# Altium PCB CSUEAF4 - 信号线完毕.PcbDoc (continued)
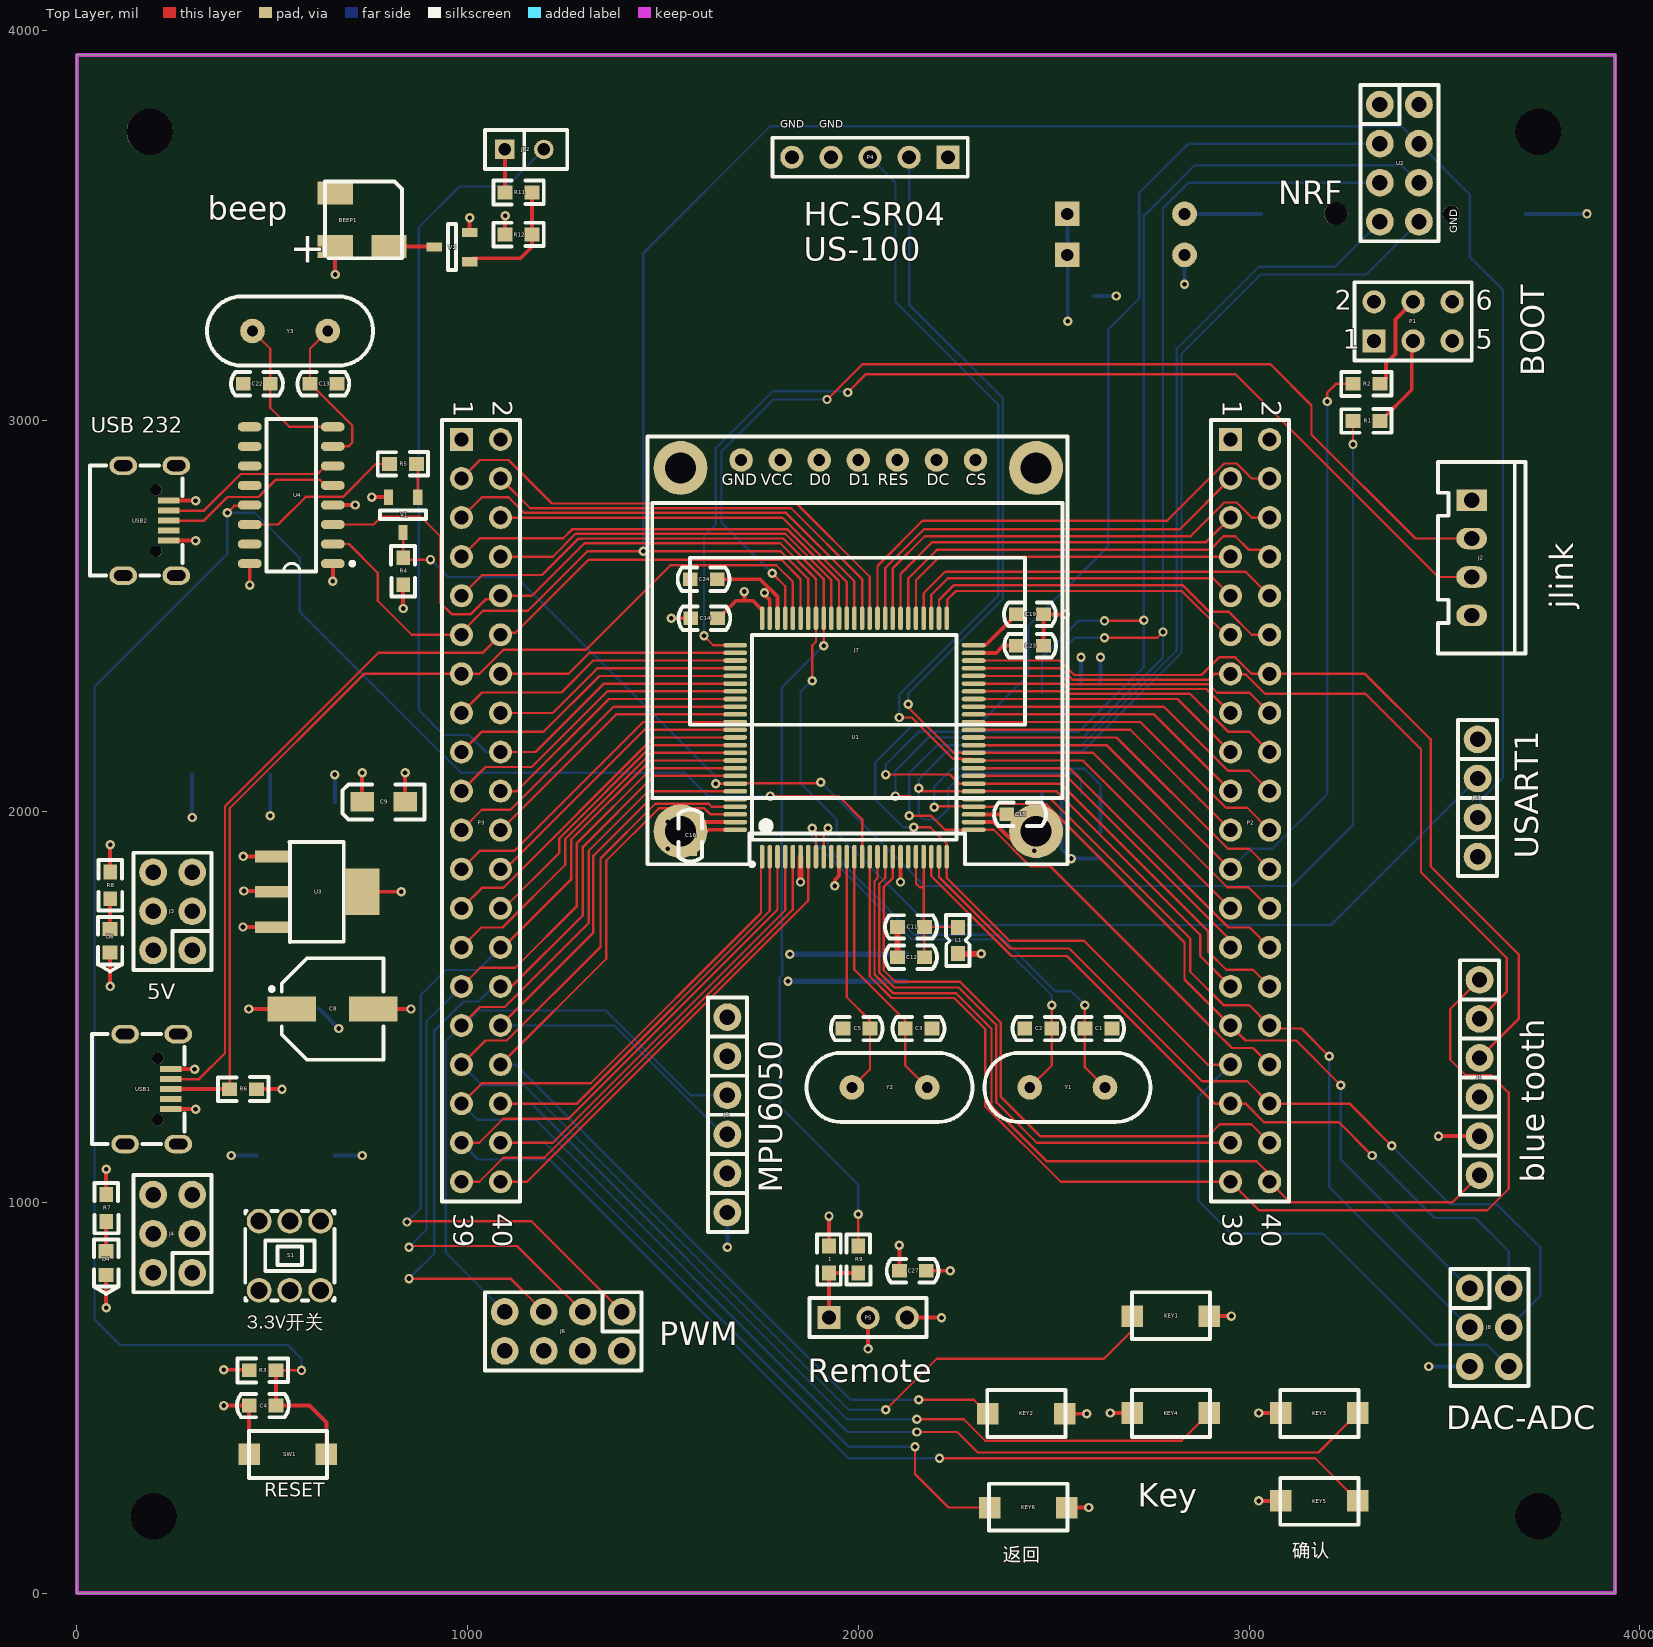
[diagram p0: Top Layer view]
## Footprints (in the part's own frame and the unit in brackets; to place one, negate y for a bottom-side part, rotate by r counter-clockwise, add the part's x,y. Pads: shape width x height; smd on the part's side, far side on the other; paste and mask are expansions set on the pad) (continued)
  oval 0.3x1.55 smd: 26(-6,-7.75) 27(-5.5,-7.75) 28(-5,-7.75) 29(-4.5,-7.75) 30(-4,-7.75) 31(-3.5,-7.75) 32(-3,-7.75) 33(-2.5,-7.75) 34(-2,-7.75) 35(-1.5,-7.75) 36(-1,-7.75) 37(-0.5,-7.75) 38(0,-7.75) 39(0.5,-7.75) 40(1,-7.75) 41(1.5,-7.75) 42(2,-7.75) 43(2.5,-7.75) 44(3,-7.75) 45(3.5,-7.75) 46(4,-7.75) 47(4.5,-7.75) 48(5,-7.75) 49(5.5,-7.75) 50(6,-7.75) 76(6,7.75) 77(5.5,7.75) 78(5,7.75) 79(4.5,7.75) 80(4,7.75) 81(3.5,7.75) 82(3,7.75) 83(2.5,7.75) 84(2,7.75) 85(1.5,7.75) 86(1,7.75) 87(0.5,7.75) 88(0,7.75) 89(-0.5,7.75) 90(-1,7.75) 91(-1.5,7.75) 92(-2,7.75) 93(-2.5,7.75) 94(-3,7.75) 95(-3.5,7.75) 96(-4,7.75) 97(-4.5,7.75) 98(-5,7.75) 99(-5.5,7.75) 100(-6,7.75)
  silkscreen extent -8.37,-6.65 6.65,6.77, body extent -8,-8 8,8, height 1.6
MICRO-USB-5P4脚 [mm]
  rect 0.4x1.4 smd: 1(-1.3,2.66) 2(-0.65,2.66) 3(0,2.66) 4(0.65,2.66) 5(1.3,2.66)
  oval 1.2x1.8 hole 0.7 slot 1.2 at 90 deg: 6(-3.575,3.16) 6(-3.575,-0.29) 6(3.575,3.16) 6(3.575,-0.29)
  round 0.75 hole 0.75 unplated: ""(-2,1.835) ""(2,1.835)
  silkscreen extent -3.57,-2.44 3.57,3.57
"OLED 0.96" [mil]
  round 137.8 hole 78.74: 0(-155,-950) 0(-155,-20) 0(755,-950) 0(755,-20)
  round 60 hole 30: 1(0,0) 2(100,0) 3(200,0) 4(300,0) 5(400,0) 6(500,0) 7(600,0)
  silkscreen extent -240,-1034 835,60, body extent -228,-1036 824,61, height 334
OSC-HC-49S [mm]
  round 1.6 hole 0.7: 1(-2.45,0) 2(2.45,0)
  silkscreen extent -5.39,-2.25 5.39,2.25, body extent -5.39,-2.27 5.41,2.23, height 3.6
R0603 [mil] "1/10W"
  rect 38x35 smd: 1(0,0) 2(69,0)
  silkscreen extent -30,-31 99,30, body extent 4,-16 66,16, height 18
SIP2 [mil]
  rect 50x50 hole 32: 1(0,0)
  round 50 hole 32: 2(100,0)
  silkscreen extent -50,-50 160,50
SMBJ [mm]
  rect 1.5x3 smd: 1(-2.413,0) 2(2.667,0)
  silkscreen extent -1.02,-1.85 1.52,1.83
SOIC16 [mm] "SOIC16-39MM"
  oval 1.55x0.6 smd: 1(0,0) 2(0,-1.27) 3(0,-2.54) 4(0,-3.81) 5(0,-5.08) 6(0,-6.35) 7(0,-7.62) 8(0,-8.89) 9(5.4,-8.89) 10(5.4,-7.62) 11(5.4,-6.35) 12(5.4,-5.08) 13(5.4,-3.81) 14(5.4,-2.54) 15(5.4,-1.27) 16(5.4,0)
  silkscreen extent -1.39,-9.4 4.3,0.51
SOT223 [mm]
  rect 0.76x2.2 smd: 1(-2.3,-2.95) 2(0,-2.95) 3(2.3,-2.95)
  rect 3x2.2 smd: 2(0,2.95)
  silkscreen extent -3.25,-1.8 3.26,1.73, body extent -3.25,-3.5 3.25,3.5, height 1.69
SOT-23 [mm] "SOT-23-3"
  rect 0.6x1 smd: 1(-0.95,-1.15) 2(0.95,-1.15) 3(0,1.15)
  silkscreen extent -1.5,-0.27 1.5,0.27, body extent -1.46,-1.28 1.46,1.27, height 0.99
W25Q-SO8 [mm]
  oval 1.8x0.6 smd: 1(0,0) 2(0,-1.27) 3(0,-2.54) 4(0,-3.81) 5(7.2,-3.81) 6(7.2,-2.54) 7(7.2,-1.27) 8(7.2,0)
  silkscreen extent 1.69,-4.44 5.4,0.63, body extent -0.45,-4.63 7.65,0.83, height 1.75
按键微动开关2 [mm]
  rect 1.4x1.4 smd: 1(-2.5,-0.024) 2(2.5,-0.024)
  silkscreen extent -2.54,-1.52 2.54,1.52, body extent -2.5,-1.52 2.5,1.48, height 2.1
自锁开关 [mm] "PB12E06371， GANGYUAN(港源)"
  round 1.6 hole 1.1: 1(-2,-2.214) 2(0,-2.214) 3(2,-2.214) 4(-2,2.286) 5(0,2.286) 6(2,2.286)
  silkscreen extent -2.9,-2.86 2.9,2.94
"贴片电解 6.3*5.4" [mm] "贴片电解 6.3*5.4"
  rect 3.15x1.6 smd: 1(-2.65,0) 2(2.65,0)
  silkscreen extent -4.07,-3.3 3.3,3.3, body extent -3.5,-3.3 3.5,3.3, height 5.4

## Part data
1: "Resistor", LatestRevisionDate=17-Jul-2002, LatestRevisionNote="Re-released for DXP Platform.", PackageDescription="Axial Device, Thru-Hole; 2 Leads; 0.3 in Pin Spacing", PackageReference=AXIAL-0.3, Published=8-Jun-2000, Publisher="Altium Limited"
BAT?: library part BAT
C1 C2 C3 C4 C5 C6 C7 C10 C11 C12 C13 C14 C15 C16 C18 C19 C20 C21 C22 C23 C24 C25 C26 C27: library part 电容, "Capacitor", LatestRevisionDate=17-Jul-2002, LatestRevisionNote="Re-released for DXP Platform.", PackageDescription="Radial Cap, Thru-Hole; 2 Leads; 0.3 in Pin Spacing", PackageReference=RAD-0.3, Published=8-Jun-2000, Publisher="Altium Limited"
C8 C9: library part 电解电容, "Polarized Capacitor (Axial)", LatestRevisionDate=17-Jul-2002, LatestRevisionNote="Re-released for DXP Platform.", PackageDescription="Polarized Capacitor; 2 Leads", PackageReference=POLAR0.8, Published=8-Jun-2000, Publisher="Altium Limited"
C17: "Capacitor", LatestRevisionDate=17-Jul-2002, LatestRevisionNote="Re-released for DXP Platform.", PackageDescription="Radial Cap, Thru-Hole; 2 Leads; 0.3 in Pin Spacing", PackageReference=RAD-0.3, Published=8-Jun-2000, Publisher="Altium Limited"
D1 D2: library part SMBJ, "TVS"
D3 D5: "开关二极管"
J6: library part PIN-8
J7: library part OLED_SPI
J8: library part PIN-6
JP2: "Connector"
KEY1 KEY2 KEY3 KEY4 KEY5 KEY6 SW1: library part Switch, "Single-Pole, Single-Throw Switch"
L1: library part 磁珠
P1: "Header, 3-Pin, Dual row", LatestRevisionDate=17-Jul-2002, LatestRevisionNote="Re-released for DXP Platform.", Publisher="Altium Limited"
P2 P3: "Header, 20-Pin, Dual row", LatestRevisionDate=17-Jul-2002, LatestRevisionNote="Re-released for DXP Platform.", Publisher="Altium Limited"
P4: "超声波测距模块"
P5: library part "Header 3", "Header, 3-Pin", LatestRevisionDate=17-Jul-2002, LatestRevisionNote="Re-released for DXP Platform.", Publisher="Altium Limited"
R1 R2 R3 R4 R5 R6 R7 R8 R9 R10 R11 R12: library part 电阻, "Resistor", LatestRevisionDate=17-Jul-2002, LatestRevisionNote="Re-released for DXP Platform.", PackageDescription="Axial Device, Thru-Hole; 2 Leads; 0.3 in Pin Spacing", PackageReference=AXIAL-0.3, Published=8-Jun-2000, Publisher="Altium Limited"
S1: "自锁开关"
U1: BOM_LCSC Assembly=Yes, BOM_Manufacturer=STMicroelectronics, BOM_Manufacturer Part=STM32F407VET6, BOM_Supplier=LCSC, BOM_Supplier Part=C28730, image=//image.lceda.cn/szlcsc/C28730.jpg, SMT Type=Basic, spicePre=U
U2: "NRF24L01模块排母"
U3: library part 三端稳压, "三端稳压芯片", BOM名称=Î, 学习资源=www.oooc
V1 V2: "NPN Bipolar Transistor", Code_JEDEC=TO-226-AA, LatestRevisionDate=17-Jul-2002, LatestRevisionNote="Re-released for DXP Platform.", PackageDescription="TO, Flat Index; 3 In-Line, Axial Leads; Body Dia. 4.8mm; Leads 0.55 x 0.51 mm (max)", PackageReference=TO-226-AA, Published=8-Jun-2000, Publisher="Altium Limited"
Y1 Y2 Y3: library part XTAL, "Crystal Oscillator", LatestRevisionDate=17-Jul-2002, LatestRevisionNote="Re-released for DXP Platform.", PackageDescription="Crystal, Thru-Hole; 2 Leads; Body 3.1 x 8.2 mm (Dia.xH)", PackageReference=R38, Published=8-Jun-2000, Publisher="Altium Limited"

## Free pads (board coordinates)
  round 118.11 hole 118.11 unplated: 1(186.85,3740.16) 2(3740.16,3740.16) 3(3740.16,196.85) 4(196.85,196.85)

## Via types
v1: diameter 24, hole 12, Top Layer to Bottom Layer, 112 vias

## Nets (pads, with @x,y where several pads share a name; then routed paths per layer and width w, separated by ;. In a path a pad name is that pad's centre, name@x,y a point inside that pad or via, vN(x,y) a via of type N, cw(c..) or ccw(c..) an arc to the next point about the centre after c; other vN are vias at no path point)
3V3: 1.1 BEEP1.1 C7.2 C9.1 C10.1 C14.2 C15.2 C16.2 C17.2 C18.2 C19.2 C20.2 C21.2 C26.1 C27.1 D1.2 D5.2 J1.2 J2.1 J4.1 J4.3 J4.5 J5.6 J7.2 JP1.1 L1.2 P1.1 P1.2 P2.1 P2.2 P4.1 P5.3 R3.1 R4.2 R6.1 R7.2 R10.2 U1.11 U1.19 U1.28 U1.50 U1.75 U1.100 U2.2 U3.2 U4.4 U4.16 U5.3 U5.7 U5.8 | length 2818.6
  Top Layer w10: R7.2 v1(75,1085) ; v1(375.58,571.57) 429.43,571.57 436,565 R3.1 ; v1(427.5,1796.95) 496.91,1796.95 U3.2@498.86,1795 ; v1(442.4,2580) U4.16 ; R6.1 v1(525,1290) ; U4.4 v1(712.4,2785) ; v1(661.1,3375) BEEP1.1 ; C9.1 v1(730,2100) ; U3.2@731.14,1795 v1(830,1795) ; v1(835,2520) R4.2 ; v1(1512.22,1905) C16.2 1569.78,1906.5 1617.06,1953.78 U1.100 U1.100@1684.6,1954.06 ; C14.2 1641.5,2495 1686.5,2540 1708.41,2540 ; v1(1708.41,2563.41) 1708.41,2540 ; U1.75 1753.78,2516.54 1730.32,2540 1708.41,2540 ; 1.1 v1(1925,965) ; v1(1940,1810) 1940,1825.49 1950.63,1836.12 U1.11 ; v1(2108.11,1820) U1.19 ; P5.3 v1(2212.8,705) ; C27.1 v1(2235,825) ; U1.28 C15.2 ; U1.50 2326.22,2426.22 C19.2 ; v1(3485,1169.69) J1.2
  Top Layer w15: L1.2@2255,1636.13 v1(2314.28,1636.13)
  Bottom Layer w10: v1(395,1120) D1.2 ; C7.2 v1(730,2100) ; v1(1665,885) J5.6 ; U5.3 C26.1 2520,1905 v1(2545,1880) R10.2 ; U5.7 v1(2570,2395) ; U5.8 v1(2620,2395) ; v1(2835,3350) D5.2
  Bottom Layer w15: v1(1825,1635) C18.2 C20.2 C17.2 C21.2
5V: C6.2 C8.1 D2.2 J3.1 J3.3 J3.5 R8.2 S1.3 U3.3 | length 473.1
  Top Layer w10: R8.2 v1(85,1915) ; v1(425,1705) 425.55,1704.45 U3.3 ; v1(440,1495) C8.1
  Bottom Layer w10: v1(295,1985) D2.2 ; v1(440,1495) C6.2
ADC1_CH0: J8.2 P2.35 U1.23 | length 2020.4
  Top Layer w6: U1.23 2186.85,1835.43 2391.77,1630.51 2534.06,1630.51 2911.81,1252.76 P2.35 2990.92,1252.76 3038.68,1205 3230,1205 v1(3315,1120)
  Bottom Layer w6: v1(3315,1120) 3475,960 3580,960 3665,875 J8.2
ADC2_CH1: J8.4 P2.36 U1.24 | length 2221.3
  Top Layer w6: U1.24 2206.54,1832.71 2389.25,1650 2540,1650 2880,1310 2995.51,1310 P2.36 3257.24,1252.76 v1(3365,1145)
  Bottom Layer w6: v1(3365,1145) 3515,995 3635,995 3745,885 3745,760 J8.4
ADC3_CH2: J8.6 P2.33 U1.25 U2.3 | length 5193.6
  Top Layer w6: v1(2142.22,1960) 2184,1960 2226.22,1917.78 U1.25 2226.22,1830 2386.22,1670 2577.09,1670 2894.33,1352.76 P2.33
  Bottom Layer w6: v1(2142.22,1960) 2115,1960 2043.51,2031.49 2043.51,2126.27 2137.24,2220 2305,2220 2435,2350 2435,2475 2640,2680 2640,3235 2719,3314 2719,3584 2845,3710 U2.3 ; P2.33 2870,1270 2870,1005 2955,920 3190,920 3474.43,635.57 3609.43,635.57 J8.6
BEEP: JP2.2 P3.18 U1.81 | length 2565.1
  Top Layer w6: P3.18 1173.7,2152.76 1348.74,2327.8 U1.81
  Bottom Layer w6: P3.18 1047.24,2152.76 1003.55,2196.45 938.55,2196.45 875,2260 875,3495.75 979.25,3600 1100,3600 JP2.2
BOOT0: R1.2 R4.1 U1.94 V1.3 | length 3959.4
  Top Layer w6: R4.1@830,2655 R4.1 ; V1.3 R4.1 ; v1(905,2645.26) 839.74,2645.26 R4.1 ; v1(1635,2071.89) U1.94 1685.99,2073 1901.75,2073 v1(1903.75,2075) ; v1(3266,2940) R1.2
  Bottom Layer w6: v1(905,2645.26) 949.6,2600.66 1124.34,2600.66 1635,2090 v1@1635,2075 ; v1(1903.75,2075) 1905,2075 2170,1810 3110,1810 3266,1966 v1(3266,2940)
BOOT1: P2.23 R2.1 U1.37 | length 2218.7
  Top Layer w6: U1.37 2635.2,2170.32 P2.23 ; v1(3200,3050) 3200,3072.7 3222.3,3095 R2.1
  Bottom Layer w6: P2.23 3005,1905 3059.49,1905 3200,2045.51 v1(3200,3050)
CH340_RESET: C4.2 R3.2 SW1.1 U1.14 U4.13 | length 5380.2
  Top Layer w6: v1(385.28,2765) 402.89,2782.61 440.02,2782.61 U4.13 ; R3.2 v1(575,570) ; v1(1775,2040) 1950,2040 2009.68,1980.32 U1.14
  Top Layer w10: R3.2 C4.2 595,480 638.43,436.57 SW1.1
  Bottom Layer w6: v1(575,570) 575,600 540,635 110,635 45,700 45,2320 385.28,2660.28 v1(385.28,2765) 455,2765 570,2650 570,2512.52 982.52,2100 1555,2100 1615,2040 v1(1775,2040)
CH340_RXD: JP1.2 P3.10 U1.68 U4.3 | length 4164.7
  Top Layer w6: U4.3 760,2735 780,2755 880,2755 930,2705 930,2535 960,2505 1007.32,2505 1045.72,2543.41 1074.91,2543.41 P3.10 1165,2552.76 1299.5,2687.26 1800.24,2687.26 1891.57,2595.93 U1.68 1891.57,2435.01 1882.5,2425.94 v1(1882.5,2335)
  Bottom Layer w6: v1(1882.5,2335) 1882.5,2337.5 1852.2,2307.2 1852.2,2072.8 1945,1980 1945,1945 2180,1710 3210,1710 JP1.2
CH340_TXD: JP1.3 P3.11 U1.69 U2.4 U4.2 | length 6319.4
  Top Layer w6: U4.2 696.14,2685 770,2611.14 770,2540 857.24,2452.76 P3.11 984.25,2459.25 1039.23,2514.23 1154.23,2514.23 1306.26,2666.26 v1(1450,2666.26) 1801.5,2666.26 1871.89,2595.87 U1.69
  Bottom Layer w6: v1(1450,2666.26) 1450,3430 1774.43,3754.43 3390.57,3754.43 U2.4 3565,3580 3565,3420 3650,3335 3650,2087.16 3592.27,2029.43 3592.27,2007.27 3585,2000 JP1.3
CH340_XI: C13.2 U4.7 Y3.2 | length 404
  Top Layer w6: Y3.2 596.81,3184.86 C13.2 598.31,3095 705,2988.31 705,2945 695,2935 U4.7
CH340_XO: C22.2 U4.8 Y3.1 | length 395.6
  Top Layer w6: Y3.1 494.81,3184.86 C22.2 495,3094.81 495,3033.86 543.86,2985 U4.8
D0: J7.3 P3.22 U1.85 | length 723.4
  Top Layer w6: P3.22 1380.55,2249.06 U1.85
D1: J7.4 P3.21 U1.84 | length 831.5
  Top Layer w6: P3.21 1036.25,2004.76 1109.76,2004.76 1373.74,2268.74 U1.84
DAC1_OUT: J8.1 P2.31 R10.1 U1.29 U5.1 | length 2690.6
  Top Layer w6: v1(2194,2011) 2196.92,2013.92 2294.04,2013.92 U1.29 2350.46,2012.83 2357.27,2019.65 2480.65,2019.65 2835,1665.3 2835,1570.51 P2.31 2991.28,1414.23 3120.77,1414.23 v1(3235,1300)
  Bottom Layer w6: v1(2194,2011) 2194,2064 2240,2110 2578.62,2110 2620,2068.62 U5.1 ; v1(3235,1300) 3235,1110 J8.1
  Bottom Layer w10: R10.1 U5.1
DAC2_OUT: J8.3 P2.32 U1.30 U2.5 U5.6 | length 5251.5
  Top Layer w6: v1(2095,2040) 2132.03,2040 2139.51,2032.52 U1.30 2492.48,2032.52 2849.84,1675.16 2849.84,1590.16 2935,1505 3000.51,1505 P2.32 3060.51,1445 3134.23,1445 v1(3205,1374.23) ; v1(2630,2445) 2765,2445 v1(2780,2460)
  Bottom Layer w6: v1(2095,2040) 2095,2105 2180,2190 2575,2190 2780,2395 v1(2780,2460) 2780,3545 2845,3610 3315,3610 3325,3620 U2.5 ; U5.6 2520,2410 2555,2445 v1(2630,2445) ; v1(3205,1374.23) 3205,1040 J8.3
DC: J7.6 P3.19 U1.82 | length 806.4
  Top Layer w6: P3.19 1045.72,2114.23 1164.23,2114.23 1358.11,2308.11 U1.82
Echo: P2.25 P4.3 U1.35 | length 2724.7
  Top Layer w6: v1(2105,2241) 2137.03,2241 2242.31,2135.72 2290.34,2135.72 U1.35 2574.57,2130.94 P2.25
  Bottom Layer w6: P4.3 2095,3610 2095,3305 2358,3042 2358,2553 2105,2300 v1(2105,2241)
GND: BAT?.2 C1.1 C2.1 C3.1 C4.1 C5.1 C6.1 C7.1 C8.2 C9.2 C10.2 C11.1 C12.1 C13.1 C14.1 C15.1 C16.1 C17.1 C18.1 C19.1 C20.1 C21.1 C22.1 C23.2 C24.2 C25.1 C26.2 C27.2 D1.1 D2.1 D4.K D6.K J1.3 J2.4 J3.2 J3.4 J3.6 J4.2 J4.4 J4.6 J5.5 J6.2 J6.4 J6.6 J6.8 J7.1 J7.7 J8.5 JP1.4 KEY1.2 KEY2.2 KEY3.2 KEY4.2 KEY5.2 KEY6.2 P1.5 P1.6 P3.1 P3.2 P4.4 P4.5 P5.2 R12.1 SW1.2 U1.10 U1.20 U1.27 U1.74 U1.99 U2.1 U3.1 U4.1 U5.4 USB1.5 USB2.5 V1.2 V2.2 | length 3371.3
  Top Layer w10: v1(75,730) D4.K ; v1(85,1552.76) D6.K ; USB2.5 v1(303.82,2693.82) ; USB1.5 v1(303.82,1238.82) ; v1(375.58,480) C4.1 441,363.48 437.52,360 SW1.2 ; v1@425,1885 v1(425.55,1885.55) U3.1 ; v1(655,2590) U4.1 ; v1(755,2805.28) V1.2 ; C8.2 v1(855,1495) ; C9.2 v1(840,2100) ; V2.2 v1(1005.28,3520) ; R12.1 v1(1096,3525) ; v1(1512.22,1974) C16.1 1570.31,1973.46 U1.99 ; v1(1521.22,2495) C14.1 1570.5,2495.5 1570.5,2574.5 1570,2575 ; v1(1760,2560.59) 1760,2555 1773.46,2541.54 U1.74 ; v1(2025,625) P5.2 ; C27.2 v1(2105,890) ; U1.27 2346.54,1973.46 2420,1900 v1(2450,1900) 2450,1992.15 C15.1 C15.1@2449,2000 ; C23.2 C19.1 v1(2530,2505) ; KEY2.2 v1(2585,459.06) ; KEY6.2@2537.48,215 KEY6.2 v1(2590,219.06) ; v1(2645,460.94) KEY4.2 ; KEY1.2 v1(2955,709.06) ; v1(3025,235.94) KEY5.2 ; v1(3025,460.94) KEY3.2
  Top Layer w15: C12.1 C11.1
  Bottom Layer w10: v1(495,1990) D2.1 ; C6.1 620.5,1495 v1@670,1445.5 ; D1.1 v1(730,1120) ; C7.1@660,2026 C7.1 v1@661,2095 ; v1@2451,1905 C26.2 2452.5,1950 2462.5,1960 2462.5,1961.5 2470,1969 U5.4 ; C25.1 v1(2660,3320) ; v1(3460,580) J8.5 J8.5@3560,575 ; BAT?.2 v1(3865,3530)
  Bottom Layer w15: v1(1820,1566) C18.1 C20.1 C17.1 C21.1
  other v1: 670,1445 660,2095
I2C1_SCL: J5.3 J6.7 P3.31 U1.95 | length 2655.9
  Top Layer w6: P3.31 1031.5,1500 1095,1500 1310,1715 1310,1900 1462.2,2052.2 U1.95
  Bottom Layer w6: J6.7 944,871 944,1412.5 P3.31 987.76,1452.76 1026.28,1491.28 1353.72,1491.28 1570.77,1274.23 J5.3
I2C1_SDA: J5.4 P3.32 U1.96 | length 1652
  Top Layer w6: P3.32 1322,1690.5 1322,1887 1467.52,2032.52 U1.96
  Bottom Layer w6: P3.32 1375.27,1452.76 1653.8,1174.23 J5.4
I2C2_SCL: J1.5 P2.13 U1.47 | length 2053.3
  Top Layer w6: U1.47 2518.34,2367.17 2547.51,2338 2896.55,2338 2911.3,2352.76 P2.13 2953.77,2351.74 2991.28,2351.74 3041.03,2302 3298,2302 3440,2160 3440,1845 3660,1625 3660,1539.69 J1.5
I2C2_SDA: J1.4 P2.14 U1.48 | length 2240.7
  Top Layer w6: U1.48 2515.63,2386.85 2552.48,2350 2878.31,2350 2923.31,2395 2965,2395 3007.24,2352.76 P2.14 3297.24,2352.76 3465,2185 3465,1860 3690,1635 3690,1469.69 J1.4
I2C3_SCL: P3.9 R9.2 U1.67 | length 2868.6
  Top Layer w6: P3.9 1037.32,2605.82 1190.82,2605.82 1284,2699 1294.27,2699 1294.53,2699.26 1807.83,2699.26 1911.26,2595.83 U1.67 v1(1911.26,2425) ; R9.2 v1(2000,970)
  Bottom Layer w6: v1(1911.26,2425) 1804,2317.74 1804,1626.3 1805,1625.3 1805,1580.7 1799,1574.7 1799,1246 2000,1045 v1(2000,970)
I2C3_SDA: P3.8 U1.66 | length 1017.9
  Top Layer w6: P3.8 1217.76,2652.76 1276.26,2711.26 1812.8,2711.26 1930.94,2593.12 U1.66
JTDI: P3.14 U1.77 | length 617.9
  Top Layer w6: P3.14 1257.76,2352.76 1311.54,2406.54 U1.77@1679.88,2406.54
JTDO: P3.26 U1.89 | length 795.2
  Top Layer w6: P3.26 1092.76,1752.76 1235,1895 1235,1931.97 1473.34,2170.32 U1.89
JTRST: P3.27 U1.90 | length 945.5
  Top Layer w6: P3.27 1035.05,1703.55 1089.53,1703.55 1250,1864.02 1250,1930 1470.63,2150.63 U1.90
KEY: J1.1 P2.40 U1.16 | length 2250.9
  Top Layer w6: U1.16 2049.06,1829.78 2041.37,1822.09 2041.37,1583.6 2089.97,1535 2250.44,1535 2341,1444.44 2341,1246.8 2482.8,1105 3020,1105 3052.76,1072.24 P2.40 3105.51,1000 3520.31,1000 J1.1
KEY1: KEY1.1 P3.33 U1.97 | length 3321.3
  Top Layer w6: P3.33 1045.72,1414.23 1100.21,1414.23 1340,1654.02 1340,1880 1480.52,2020.52 1617.31,2020.52 1625,2012.83 U1.97 ; v1(2070,469.41) 2200.59,600 2629,600 2701.57,672.57 KEY1.1
  Bottom Layer w6: P3.33 992.24,1352.76 992.24,1344.76 1037.01,1300 1145,1300 1975.59,469.41 v1(2070,469.41)
KEY2: KEY2.1 P3.34 U1.98 | length 2643.1
  Top Layer w6: P3.34 1355,1623.5 1355,1874.37 1489.15,2008.52 1606.48,2008.52 1621.85,1993.15 U1.98 ; v1(2155,495.14) 2295.49,495.14 KEY2.1
  Bottom Layer w6: P3.34 1122.52,1352.76 1980.14,495.14 v1(2155,495.14)
KEY3: KEY3.1 P3.35 U1.1 | length 3819.8
  Top Layer w6: P3.35 1036.5,1305 1315,1305 1751.1,1741.1 1751.1,1863.28 1753.78,1865.96 U1.1 ; v1(2150,412.5) 2252.99,412.5 2305.49,360 3177.48,360 KEY3.1
  Bottom Layer w6: P3.35 1025.71,1211.3 1173.7,1211.3 1972.5,412.5 v1(2150,412.5)
KEY4: KEY4.1 P3.36 U1.2 | length 3233
  Top Layer w6: P3.36 1279.73,1252.76 1773.46,1746.49 U1.2 ; v1(2150,445) 2270,445 2325,390 2827.48,390 KEY4.1
  Bottom Layer w6: P3.36 1163.19,1252.76 1970.94,445 v1(2150,445)
KEY5: KEY5.1 P3.37 U1.3 | length 3868.5
  Top Layer w6: P3.37 1029.77,1152.76 1091.24,1214.23 1258.17,1214.23 1793.15,1749.21 U1.3 ; v1(2207.83,345) 3169.37,345 KEY5.1
  Bottom Layer w6: P3.37 984.25,1147.76 989.25,1147.76 1027.01,1110 1210,1110 1975,345 v1(2207.83,345)
KEY6: KEY6.1 P3.38 U1.4 | length 2792.2
  Top Layer w6: P3.38 1217.76,1152.76 1812.83,1747.83 U1.4 ; v1(2145,375) 2145,305 2230.94,219.06 KEY6.1
  Bottom Layer w6: P3.38 1197.24,1152.76 1975,375 v1(2145,375)
Net1_2: 1.2 P5.1 R9.1 | length 189.4
  Top Layer w10: P5.1 1.2 R9.1
NetBAT?_1: BAT?.1 D3.2 | length 196.4
  Bottom Layer w10: D3.2 BAT?.1
NetBEEP1_2: BEEP1.2 V2.3 | length 117.8
  Top Layer w10: BEEP1.2@799.99,3445 BEEP1.2 913.62,3446.1 V2.3
NetC11_2: C11.2 C12.2 L1.1 U1.21 U1.22 | length 436.5
  Top Layer w6: U1.21 2147.48,1816.52 2157.17,1806.83 2167.17,1806.83 ; U1.22 2167.17,1806.83 ; C12.2 C11.2 ; L1.1 2253.55,1705 C11.2 ; 2167.17,1806.83 2167.17,1706.83 C11.2
NetC23_1: C23.1 U1.49 | length 117.5
  Top Layer w10: U1.49 2353.17,2406.54 2371.63,2425 C23.1
NetC24_1: C24.1 U1.73 | length 227.8
  Top Layer w10: C24.1 1748.44,2595 1793.15,2550.29 U1.73
NetD4_A: D4.A R7.1 | length 76
  Top Layer w10: D4.A R7.1
NetD6_A: D6.A R8.1 | length 77
  Top Layer w10: D6.A R8.1
NetJP2_1: JP2.1 R11.1 | length 110.4
  Top Layer w10: JP2.1 1096,3694 R11.1
NetP1_3: P1.3 R1.1 | length 241.1
  Top Layer w10: R1.1 3336.5,3000 3416.5,3080 3416.5,3201.5 P1.3
NetP1_4: P1.4 R2.2 | length 246.1
  Top Layer w10: R2.2 3336.5,3095 3351,3109.5 3351,3147.75 3375,3171.75 3375,3260 P1.4
NetR5_1: R5.1 V1.1 | length 76.1
  Top Layer w6: R5.1@869,2880 872.4,2876.6 V1.1
NetR5_2: R5.2 U4.14 | length 421.8
  Top Layer w6: U4.14 515,2735 585.81,2805.81 680.81,2805.81 765,2890 R5.2
NetR11_2: R11.2 R12.2 V2.1 | length 314.6
  Top Layer w10: V2.1 1014.09,3416.41 1135.41,3416.41 1165,3446 R12.2 R11.2
NetU4_5: U4.5 USB2.3 | length 470
  Top Layer w6: USB2.3 325,2745 385.28,2805.28 465,2805.28 509.72,2850 621.3,2850 636.3,2835 U4.5
NetU4_6: U4.6 USB2.2 | length 467.7
  Top Layer w6: USB2.2 325.59,2770.59 419.19,2864.19 615.49,2864.19 630.54,2879.24 649.24,2879.24 U4.6
NRF_IRQ: P2.34 U1.26 U2.8 | length 3537.3
  Top Layer w6: v1(2130,1990) 2185.59,1990 2221.81,1953.78 U1.26 2346.42,1953.78 2440.2,1860 2491.8,1860 2914.23,1437.57 2914.23,1436.8 2936.8,1414.23 2937.57,1414.23 2956.8,1395 3010.51,1395 P2.34
  Bottom Layer w6: v1(2130,1990) 2130,2098.17 2201.83,2170 2571.97,2170 2815,2413.03 2815,3185 3025,3395 3220,3395 U2.8
"OS 8M IN": C5.2 U1.12 Y2.1 | length 634.6
  Top Layer w6: U1.12 1970.32,1525.18 2030,1465.5 C5.2 2030,1340.75 Y2.1
"OS 8M OUT": C3.2 U1.13 Y2.2 | length 667.8
  Top Layer w6: U1.13 1990,1595.5 2120,1465.5 C3.2 2120,1350.75 Y2.2
"OS 32K IN": C2.2 U1.8 Y1.1 | length 1142.6
  Top Layer w6: v1(1882.5,1957.5) 1891.57,1948.43 U1.8 ; Y1.1 2495,1350.75 C2.2 v1(2495,1505)
  Bottom Layer w6: v1(1882.5,1957.5) 1882.5,1927.5 2137,1673 2352,1673 2495,1530 v1(2495,1505)
"OS 32K OUT": C1.2 U1.9 Y1.2 | length 1184.8
  Top Layer w6: U1.9 1911.26,1946.26 v1(1922.5,1957.5) ; v1(2580,1505) C1.2 2580,1345.75 Y1.2
  Bottom Layer w6: v1(1922.5,1957.5) 1922.5,1905.26 2142.76,1685 2360,1685 2505,1540 2545,1540 v1(2580,1505)
PA6: P2.29 U1.31 U2.7 U5.2 | length 3997
  Top Layer w6: v1(2155,2060) 2157.17,2060 2164.69,2052.48 2294.84,2052.48 U1.31 2507.49,2052.2 2875,1684.7 2875,1630.51 P2.29
  Bottom Layer w6: U5.2 2570,2086.49 2558.49,2098 2268,2098 2230,2060 2230,2007.17 2202.83,1980 2165,1980 2155,1990 v1(2155,2060) 2155,2083 2227,2155 2575,2155 2827,2407 2827,3172 3030,3375 3300,3375 U2.7
PA7: P2.30 U1.32 U2.6 U5.5 | length 4348.7
  Top Layer w6: v1(2070,2095) 2235,2095 2258.11,2071.89 U1.32 2517.51,2071.89 2895,1694.4 2895,1641.8 2941.56,1595.24 3010.27,1595.24 P2.30 ; v1(2630,2488.3) 2630.85,2489.15 2730.15,2489.15 v1(2731,2490)
  Bottom Layer w6: v1(2070,2095) 2070,2120 2155,2205 2565,2205 2731,2371 v1(2731,2490) 2731,3525 2860.43,3654.43 3390.57,3654.43 U2.6 ; U5.5@2470,2304.84 U5.5 2470,2395 2563.3,2488.3 v1(2630,2488.3)
PA11: P3.12 U1.70 USB1.2 | length 2654.8
  Top Layer w6: USB1.2 312.84,1315.59 379,1381.76 379,2014 771.54,2406.54 1038.03,2406.54 P3.12 1089.28,2457.78 1122.78,2457.78 1310.26,2645.26 1802.74,2645.26 1852.2,2595.8 U1.70
PA12: P3.13 R6.2 U1.71 USB1.3 | length 2680.4
  Top Layer w6: R6.2 391,2009.03 734.73,2352.76 P3.13 1029.77,2352.76 1091.24,2414.23 1302.26,2414.23 1519.03,2631 1789.93,2631 1832.52,2588.41 U1.71
  Top Layer w10: USB1.3 R6.2
PA13: J2.2 U1.72 | length 2735.8
  Top Layer w6: v1(1780,2610) 1812.83,2577.17 U1.72 ; v1(1920,3055) 1920.63,3055 2010.63,3145 3055,3145 3160,3040 3160,2965 3425.91,2699.09 J2.2
  Bottom Layer w6: v1(1780,2610) 1650,2740 1650,2922.76 1782.24,3055 v1(1920,3055)
PA14: J2.3 U1.76 | length 2813.5
  Top Layer w6: v1(1605,2450) 1628.78,2426.22 U1.76 ; v1(1973,3073) 2020,3120 2965,3120 3484.34,2600.66 J2.3
  Bottom Layer w6: v1(1605,2450) 1605,2705 1635,2735 1635,2930 1781,3076 1970,3076 v1(1973,3073)
PB1: P2.26 P4.2 U1.36 | length 2747.9
  Top Layer w6: v1(2127.8,2275) 2127.8,2272.8 2125,2270 2244.37,2150.63 U1.36 2600.4,2150.63 2944.19,1806.83 2998.68,1806.83 P2.26
  Bottom Layer w6: v1(2127.8,2275) 2127.8,2302.8 2370,2545 2370,3058.3 2130,3298.3 P4.2
PB5: J6.1 P3.28 U1.91 | length 2356.2
  Top Layer w6: v1@845,952.16 1162.84,952.16 J6.1 ; P3.28 P3.28@1084.25,1671.53 ; P3.28@1098.56,1659.78 1265,1826.22 1265,1928.03 1467.92,2130.94 U1.91
  Bottom Layer w6: v1(845,950) 880,985 880,1531 944,1595 1026.5,1595 P3.28
PB6: J6.3 P3.29 U1.92 | length 2264.7
  Top Layer w6: v1@850,888.37 1126.63,888.37 J6.3 ; P3.29 1032.21,1600.71 1122.2,1600.71 1279.73,1758.24 1279.73,1919.73 1471.26,2111.26 U1.92
  Bottom Layer w6: v1(850,885) 895,930 895,1463.5 P3.29
PB7: J6.5 P3.30 U1.93 | length 2184.4
  Top Layer w6: v1(850,805) 1110,805 J6.5 ; P3.30 1112.76,1552.76 1295,1735 1295,1910 1476.57,2091.57 U1.93
  Bottom Layer w6: v1(850,805) 915,870 915,1440 989.23,1514.23 1027.76,1514.23 1056.13,1542.6 1074.1,1542.6 P3.30
PB12: P2.11 U1.51 | length 829
  Top Layer w6: U1.51 2227.22,2496.12 2227.22,2542.22 2250,2565 2828.03,2565 2940.27,2452.76 P2.11
PB13: P2.12 U1.52 | length 961.3
  Top Layer w6: U1.52 2206.54,2541.54 2245,2580 2830,2580 2898.55,2511.45 2948.54,2511.45 3007.24,2452.76 P2.12
PB14: P2.9 U1.53 | length 861.7
  Top Layer w6: U1.53 2186.85,2555 2229.06,2597.2 2908.31,2597.2 P2.9
PB15: P2.10 U1.54 | length 997.9
  Top Layer w6: U1.54 2167.17,2559.17 2222.23,2614.23 2991.28,2614.23 P2.10
PC0: J1.6 P2.39 U1.15 | length 2994.1
  Top Layer w6: U1.15 2029.37,1578.63 2085,1523 2245.47,1523 2325,1443.47 2325,1245.82 2518.07,1052.76 P2.39 3025.51,980 3610,980 3664.74,1034.74 3664.74,1280.26 3619.74,1325.26 3554.74,1325.26 3515,1365 3515,1494.69 J1.6
PC2: P2.37 U1.17 | length 1498.3
  Top Layer w6: U1.17 2068.74,1831 2053.37,1815.63 2053.37,1588.57 2091.94,1550 2257.27,1550 2353,1454.27 2353,1256.69 2456.93,1152.76 P2.37
PC3: P2.38 U1.18 | length 1606.8
  Top Layer w6: U1.18 2088.43,1830.01 2065.37,1806.96 2065.37,1594.29 2094.66,1565 2260,1565 2365,1460 2365,1270 2465.31,1169.69 2894.69,1169.69 2925,1200 3005.51,1200 P2.38
PC4: P2.27 U1.33 | length 850.1
  Top Layer w6: U1.33 2532.12,2091.57 2942.6,1681.09 2942.6,1662.91 P2.27
PC5: P2.28 U1.34 | length 947.9
  Top Layer w6: U1.34 2540.41,2111.26 2818,1833.67 2818,1833.03 2947.47,1703.55 3001.96,1703.55 P2.28
PC6: P3.5 U1.63 | length 1211.3
  Top Layer w6: P3.5 1036.5,2805 1105,2805 1145.24,2764.76 1815.24,2764.76 1990,2590 U1.63
PC7: P3.6 U1.64 | length 1047
  Top Layer w6: P3.6 1805.25,2752.76 1970.32,2587.69 U1.64
PC8: P3.7 U1.65 | length 1145.9
  Top Layer w6: P3.7 1031.5,2700 1245,2700 1268.26,2723.26 1817.77,2723.26 1950.63,2590.4 U1.65
PC10: P3.15 U1.78 | length 756.2
  Top Layer w6: P3.15 1036.5,2305 1240,2305 1321.85,2386.85 U1.78
PC11: P3.16 U1.79 | length 648
  Top Layer w6: P3.16 1217.76,2252.76 1332.17,2367.17 U1.79
PC12: P3.17 U1.80 | length 781.3
  Top Layer w6: P3.17 1036.5,2205 1195,2205 1337.48,2347.48 U1.80
PC13: P3.40 U1.7 | length 1197.9
  Top Layer w6: P3.40 1151.7,1052.76 1871.89,1772.95 U1.7
PD2: J7.5 P3.20 U1.83 | length 698.2
  Top Layer w6: P3.20 1125.93,2052.76 1361.59,2288.43 U1.83
PD5: P3.23 U1.86 | length 856.6
  Top Layer w6: P3.23 1031.5,1900 1120,1900 1449.37,2229.37 U1.86
PD6: P3.24 U1.87 | length 748.5
  Top Layer w6: P3.24 1095.51,1852.76 1452.44,2209.68 U1.87
PD7: P3.25 U1.88 | length 881.7
  Top Layer w6: P3.25 1036.5,1805 1091.06,1805 1476.06,2190 U1.88
PD8: P2.7 U1.55 | length 927.6
  Top Layer w6: U1.55 2147.48,2592.48 2207.76,2652.76 P2.7
PD9: P2.8 U1.56 | length 1093.3
  Top Layer w6: U1.56 2127.8,2597.2 2200.59,2670 2900,2670 2935,2705 2965,2705 3000,2670 3035.51,2670 P2.8
PD10: P2.5 U1.57 | length 1017.9
  Top Layer w6: U1.57 2108.11,2608.7 2189.41,2690 2890,2690 P2.5
PD11: P2.6 U1.58 | length 1178.1
  Top Layer w6: U1.58 2088.43,2623.43 2170,2705 2850.51,2705 2936.8,2791.28 2968.71,2791.28 3007.24,2752.76 P2.6
PD12: P2.3 U1.59 | length 1107.5
  Top Layer w6: U1.59 2068.74,2623.74 2168,2723 2823,2723 P2.3
PD13: P2.4 U1.60 | length 1262.2
  Top Layer w6: U1.60 2049.06,2629.06 2165,2745 2790.51,2745 2936.8,2891.28 2968.71,2891.28 3007.24,2852.76 P2.4
PD14: P3.3 U1.61 | length 1294.6
  Top Layer w6: P3.3 1031.5,2900 1105,2900 1216.24,2788.76 1841.87,2788.76 2029.37,2601.26 U1.61
PD15: P3.4 U1.62 | length 1132.3
  Top Layer w6: P3.4 1160.25,2776.76 1828.24,2776.76 2009.68,2595.32 U1.62
PE6: P3.39 U1.5 | length 1271.6
  Top Layer w6: P3.39 1029.77,1052.76 1091.24,1114.23 1196.2,1114.23 1832.52,1750.55 U1.5
PE7: P2.24 U1.38 | length 897.3
  Top Layer w6: U1.38 2661.03,2190 2946.03,1905 3000.51,1905 P2.24
PE8: P2.21 U1.39 | length 764.1
  Top Layer w6: U1.39 2695.83,2209.68 P2.21
PE9: P2.22 U1.40 | length 872.2
  Top Layer w6: U1.40 2721.66,2229.37 2941.03,2010 2995.51,2010 P2.22
PE10: P2.19 U1.41 | length 738.9
  Top Layer w6: U1.41 2756.46,2249.06 P2.19
PE11: P2.20 U1.42 | length 847.1
  Top Layer w6: U1.42 2782.29,2268.74 2946.03,2105 3000.51,2105 P2.20
PE12: P2.17 U1.43 | length 713.8
  Top Layer w6: U1.43 2817.09,2288.43 P2.17
PE13: P2.18 U1.44 | length 822
  Top Layer w6: U1.44 2526.49,2308.11 2532.6,2302 2849.03,2302 2946.03,2205 3000.51,2205 P2.18
PE14: P2.15 U1.45 | length 688.7
  Top Layer w6: U1.45 2523.77,2327.8 2537.57,2314 2891.51,2314 P2.15
PE15: P2.16 U1.46 | length 796.9
  Top Layer w6: U1.46 2521.06,2347.48 2542.54,2326 2897.11,2326 2918.47,2304.64 3000.87,2304.64 P2.16
VBAT: C25.2 D3.1 D5.1 U1.6 | length 340.3
  Top Layer w15: v1(1852.2,1820) U1.6
  Bottom Layer w10: D3.1 D5.1 2536,3424 C25.2 v1(2536,3255)
VUSB: S1.2 USB1.1 USB2.1 | length 130.5
  Top Layer w10: USB2.1 v1(303.82,2796.18) ; USB1.1 v1(301.18,1341.18)
pads on no net: BAT?.0 BEEP1.3 J5.1 J5.2 J7.0 S1.1 S1.4 S1.5 S1.6 U4.9 U4.10 U4.11 U4.12 U4.15 USB1. USB1.4 USB1.6 USB2. USB2.4 USB2.6

## Keep-outs
Keep-Out Layer:
  the board outline again, w10

## Other copper
Top Layer:
  text "TOP" at 280,4040 h60
Bottom Layer:
  text "BUTTOM" at 920,4040 h60

## Silkscreen, mask and mechanical layers (free items; w line width, h text height)
Top Overlay:
  text "GND" at 1800,3750 h20
  text "GND" at 1900,3750 h20
  text "NRF" at 3075,3555 h60
  text "beep" at 335,3515 h60
  text "GND" at 3533.43,3480 h20 r90
  text "HC-SR04 / US-100" at 1860,3410 h60
  text "BOOT" at 3755,3115 h60 r90
  text "USB 232" at 35,2970 h40
  text "jlink" at 3830,2520 h60 r90
  text "USART1" at 3740,1880 h60 r90
  text "5V" at 180,1520 h40
  text "blue tooth" at 3755,1050 h60 r90
  text "MPU6050" at 1805,1025 h60 r90
  text "3.3V开关" at 435,665 h60
  text "PWM" at 1490,635 h60
  text "Remote" at 1870,540 h60
  text "DAC-ADC" at 3505,420 h60
  text "RESET" at 480,235 h60
  text "Key" at 2715,220.76 h60
  text "确认" at 3110,80 h60
  text "返回" at 2370,70 h60

## Text inside footprints (layer, text, board x,y; h text height)
BEEP1: Top Overlay "+" at 545,3405 h80
J7: Top Overlay "CS" at 2275,2825 h50; Top Overlay "DC" at 2175,2825 h50; Top Overlay "RES" at 2050,2825 h50; Top Overlay "D1" at 1975,2825 h50; Top Overlay "D0" at 1875,2825 h50; Top Overlay "VCC" at 1750,2825 h50; Top Overlay "GND" at 1650,2825 h50
P1: Top Overlay "1" at 3240,3185 h50; Top Overlay "2" at 3220,3285 h50; Top Overlay "5" at 3580,3185 h50; Top Overlay "6" at 3580,3285 h50
P2: Top Overlay "39" at 2932.76,972.76 h50 r270; Top Overlay "40" at 3032.76,972.76 h50 r270; Top Overlay "2" at 3032.76,3052.76 h50 r270; Top Overlay "1" at 2932.76,3052.76 h50 r270
P3: Top Overlay "39" at 964.25,972.76 h50 r270; Top Overlay "40" at 1064.25,972.76 h50 r270; Top Overlay "2" at 1064.25,3052.76 h50 r270; Top Overlay "1" at 964.25,3052.76 h50 r270